# KiCad board HPM1500_DDR3_CORE_RevB.kicad_pcb (continued)
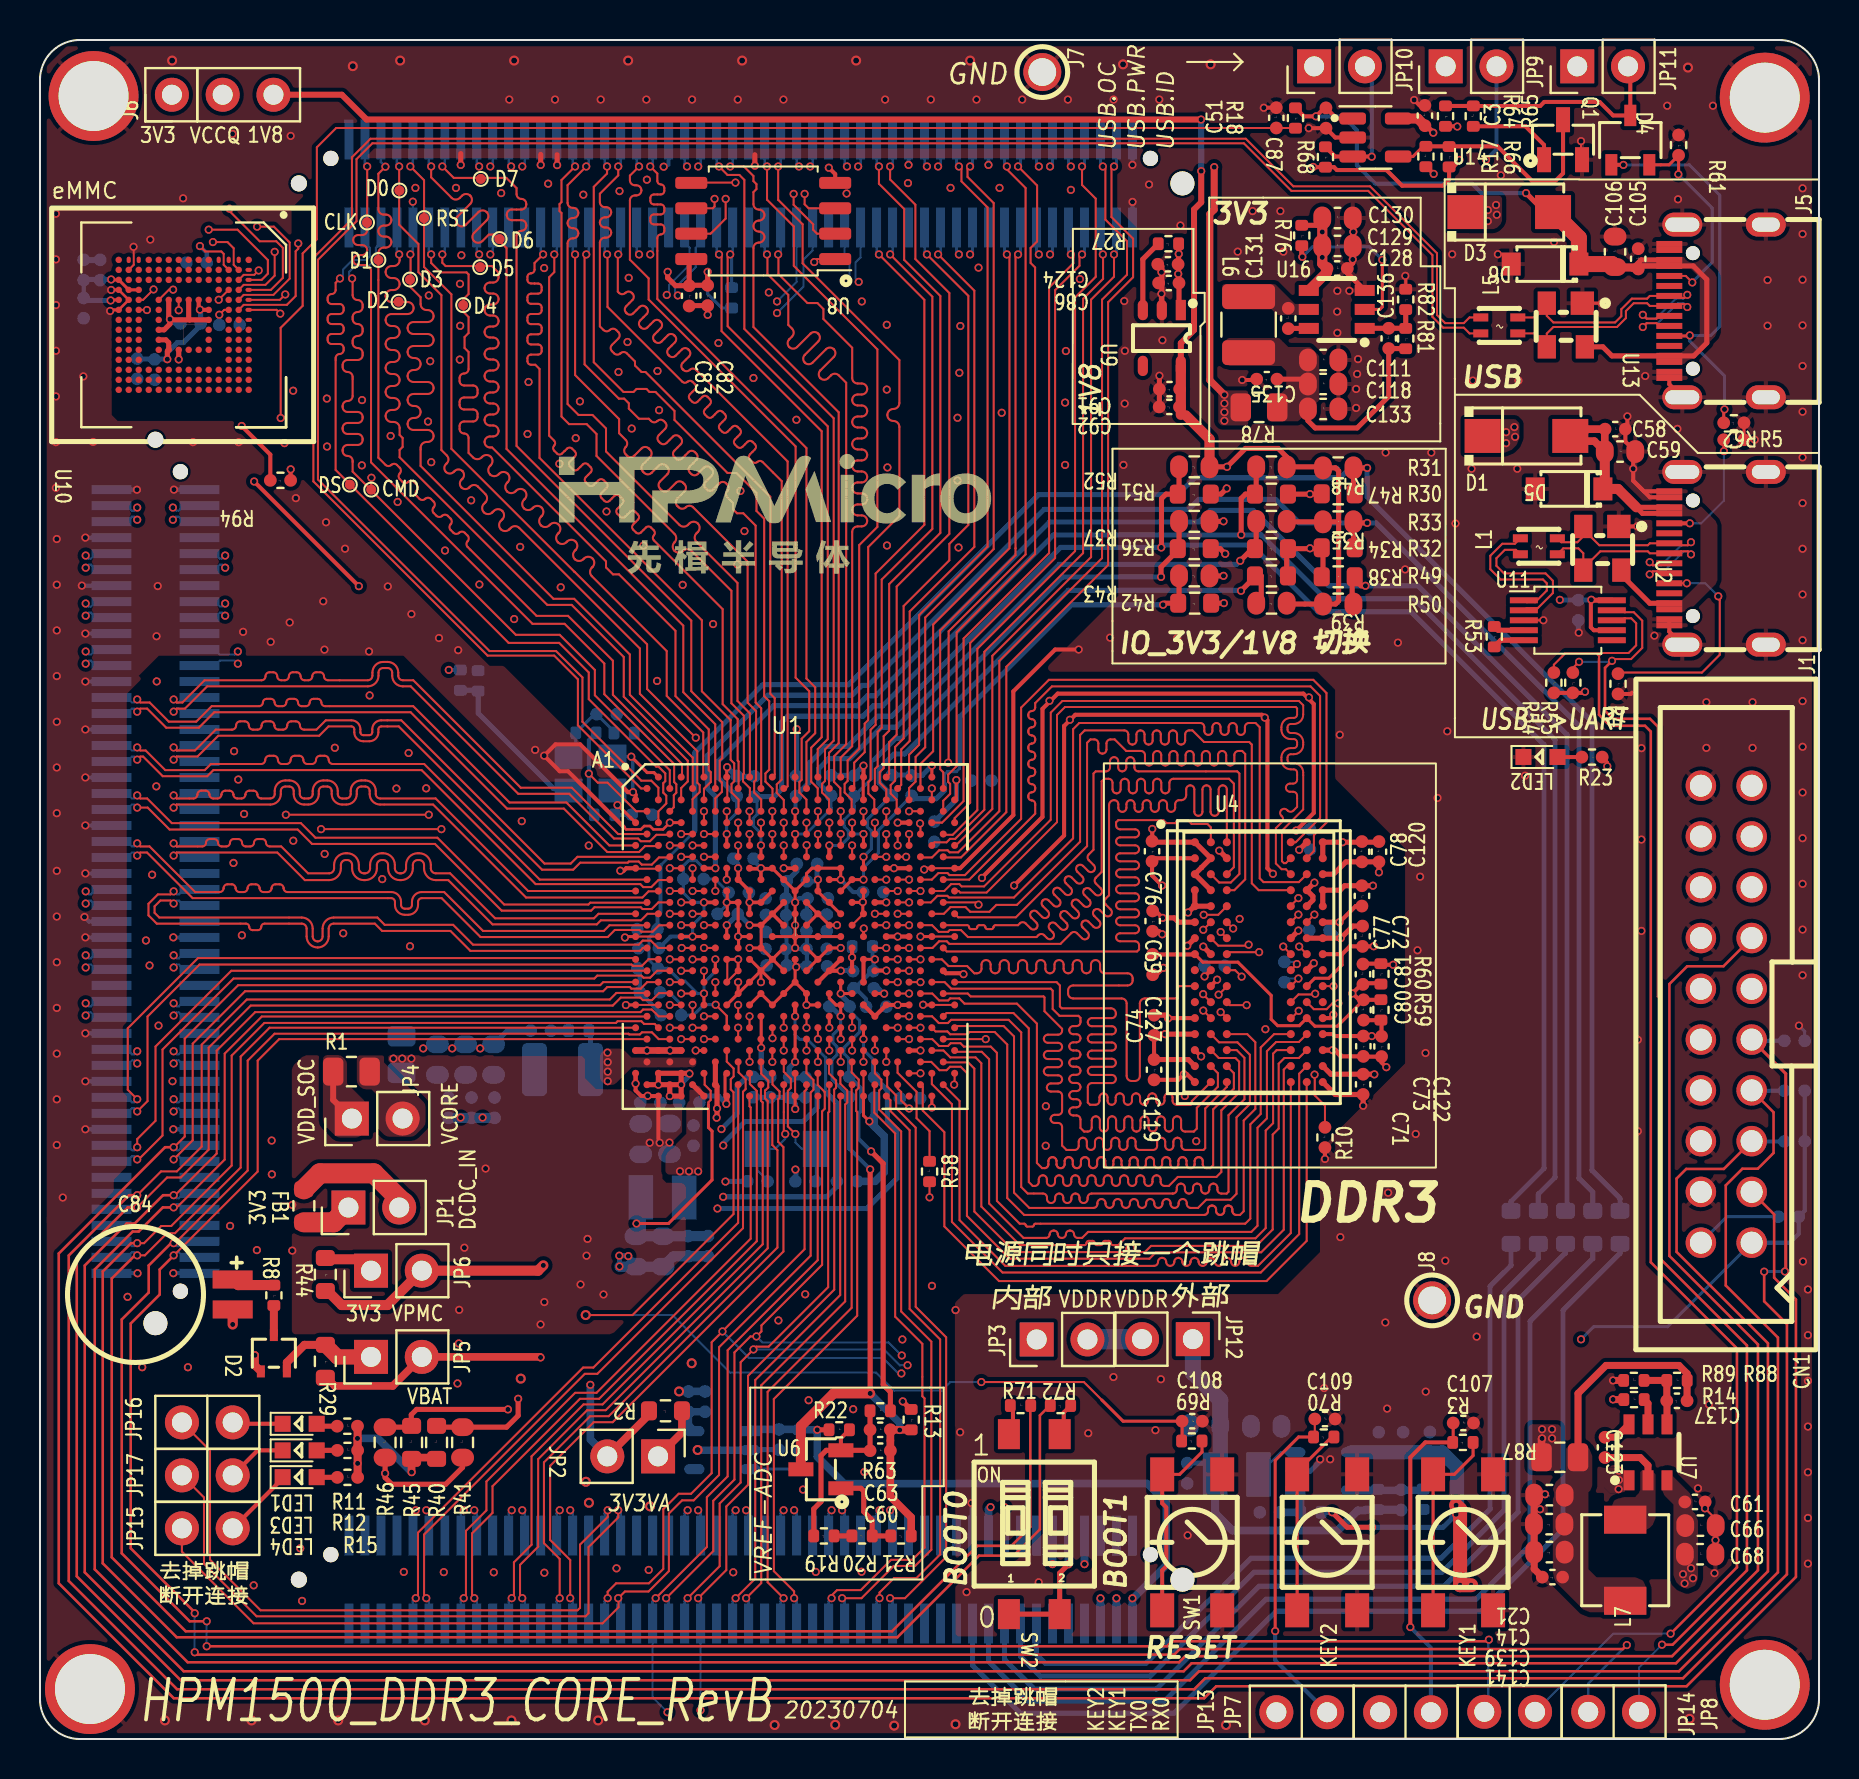
[diagram p0: board, top side]
## Routing (per net, layer and track width the routed paths; a pad name or vN(x,y) marks a point on that pad's centre or on a via; arc(x,y) is an arc through that point) (continued)
/Main/DDR3/CS0: length 32.7
  Top w0.102: v2(58.19,37.26) 58.19,37.25 U4.L2 ; v2(43.47,38.43) U1.V24
  In2.Cu w0.102: v2(43.47,38.43) 43.64,38.27 45.45,38.27 46,37.72 arc(46.14,37.67) 46.28,37.73 46.39,37.84 arc(46.54,37.89) 46.68,37.84 arc(46.74,37.69) 46.68,37.55 46.57,37.44 arc(46.51,37.29) 46.57,37.15 47.16,36.56 48.09,36.56 arc(48.23,36.5) 48.29,36.36 48.29,36.03 arc(48.35,35.89) 48.5,35.83 arc(48.64,35.89) 48.7,36.03 48.7,36.36 arc(48.76,36.5) 48.9,36.56 arc(49.05,36.5) 49.11,36.36 49.11,36.03 arc(49.17,35.89) 49.31,35.83 arc(49.45,35.89) 49.51,36.03 49.51,36.36 arc(49.57,36.5) 49.72,36.56 arc(49.86,36.5) 49.92,36.36 49.92,36.03 arc(49.98,35.89) 50.12,35.83 arc(50.27,35.89) 50.33,36.03 50.33,36.36 arc(50.38,36.5) 50.53,36.56 arc(50.67,36.5) 50.73,36.36 50.73,36.03 arc(50.79,35.89) 50.93,35.83 arc(51.08,35.89) 51.14,36.03 51.14,36.36 arc(51.2,36.5) 51.34,36.56 arc(51.48,36.5) 51.54,36.36 51.54,36.03 arc(51.6,35.89) 51.75,35.83 arc(51.89,35.89) 51.95,36.03 51.95,36.36 arc(52.01,36.5) 52.15,36.56 arc(52.3,36.5) 52.36,36.36 52.36,36.03 arc(52.42,35.89) 52.56,35.83 arc(52.7,35.89) 52.76,36.03 52.76,36.36 arc(52.82,36.5) 52.97,36.56 arc(53.11,36.5) 53.17,36.36 53.17,36.03 arc(53.23,35.89) 53.37,35.83 arc(53.52,35.89) 53.58,36.03 53.58,36.36 arc(53.64,36.5) 53.78,36.56 arc(53.92,36.5) 53.98,36.36 53.98,36.03 arc(54.04,35.89) 54.19,35.83 arc(54.33,35.89) 54.39,36.03 54.39,36.36 arc(54.45,36.5) 54.59,36.56 arc(54.74,36.5) 54.8,36.36 54.8,36.03 arc(54.86,35.89) 55,35.83 arc(55.14,35.89) 55.2,36.03 55.2,36.36 arc(55.26,36.5) 55.41,36.56 arc(55.55,36.5) 55.61,36.36 55.61,36.03 arc(55.67,35.89) 55.81,35.83 arc(55.96,35.89) 56.01,36.03 56.01,36.36 arc(56.07,36.5) 56.22,36.56 56.58,36.56 57.53,35.61 59.08,35.61 59.51,36.04 59.51,36.66 59.31,36.86 58.59,36.86 v2(58.19,37.26)
/Main/DDR3/DML: length 32.4
  Top w0.102: 62.57,41.69 U4.E7 62.57,41.69 ; 62.57,41.69 v2(62.95,42.07) ; v2(42.34,42.99) U1.K22
  In2.Cu w0.102: v2(62.95,42.07) 62.66,42.36 62.66,43.25 63.44,44.03 63.44,46.78 63.01,47.21 60.52,47.21 59.88,47.85 59.58,47.85 59.54,47.85 59.47,47.82 59.41,47.76 59.38,47.69 59.38,47.65 59.38,47.54 59.38,47.5 59.34,47.43 59.29,47.37 59.21,47.34 59.17,47.34 59.13,47.34 59.06,47.37 59,47.43 58.97,47.5 58.97,47.54 58.97,47.65 58.97,47.69 58.94,47.76 58.88,47.82 58.81,47.85 58.77,47.85 58.73,47.85 58.65,47.82 58.6,47.76 58.57,47.69 58.56,47.65 58.56,47.54 58.56,47.5 58.53,47.43 58.48,47.37 58.4,47.34 58.36,47.34 58.32,47.34 58.25,47.37 58.19,47.43 58.16,47.5 58.16,47.54 58.16,47.65 58.16,47.69 58.13,47.76 58.07,47.82 57.99,47.85 57.95,47.85 48.99,47.85 44.67,43.53 44.67,43.29 44.22,42.84 43.88,42.84 43.11,42.07 42.76,42.07 42.34,42.49 v2(42.34,42.99)
/Main/DDR3/DMU: length 36.7
  Top w0.102: U4.D3 59.74,42.46 60.29,43.01 60.29,49.28 60.14,49.43 59.95,49.43 arc(59.81,49.37) 59.75,49.23 59.75,48.91 arc(59.69,48.76) 59.54,48.7 arc(59.4,48.76) 59.34,48.91 59.34,49.23 arc(59.28,49.37) 59.14,49.43 arc(58.99,49.37) 58.93,49.23 58.93,48.91 arc(58.87,48.76) 58.73,48.7 arc(58.59,48.76) 58.53,48.91 58.53,49.23 arc(58.47,49.37) 58.32,49.43 arc(58.18,49.37) 58.12,49.23 58.12,48.91 arc(58.06,48.76) 57.92,48.7 arc(57.77,48.76) 57.71,48.91 57.71,49.23 arc(57.66,49.37) 57.51,49.43 arc(57.37,49.37) 57.31,49.23 57.31,48.91 arc(57.25,48.76) 57.11,48.7 arc(56.96,48.76) 56.9,48.91 56.9,49.23 arc(56.84,49.37) 56.7,49.43 arc(56.56,49.37) 56.5,49.23 56.5,48.91 arc(56.44,48.76) 56.29,48.7 arc(56.15,48.76) 56.09,48.91 56.09,49.23 arc(56.03,49.37) 55.89,49.43 arc(55.74,49.37) 55.68,49.23 55.68,48.91 arc(55.62,48.76) 55.48,48.7 arc(55.34,48.76) 55.28,48.91 55.28,49.23 arc(55.22,49.37) 55.07,49.43 54.34,49.43 53.76,50.01 53.55,50.01 arc(53.41,49.95) 53.35,49.81 53.35,49.5 arc(53.29,49.36) 53.15,49.3 arc(53,49.36) 52.94,49.5 52.94,49.81 arc(52.88,49.95) 52.74,50.01 52.55,50.01 52.38,49.84 52.38,44.67 48.82,41.11 45.93,41.11 U1.N29
/Main/DDR3/DQL0: length 32.4
  Top w0.102: v2(58.21,41.23) 58.94,41.23 U4.E3 ; U1.T24 v2(43.47,39.57)
  In2.Cu w0.102: v2(58.21,41.23) 58.21,42.03 57.96,42.28 57.31,42.28 arc(57.16,42.22) 57.1,42.08 57.1,41.77 arc(57.04,41.62) 56.9,41.56 arc(56.76,41.62) 56.7,41.77 56.7,42.08 arc(56.64,42.22) 56.49,42.28 arc(56.35,42.22) 56.29,42.08 56.29,41.77 arc(56.23,41.62) 56.09,41.56 arc(55.94,41.62) 55.88,41.77 55.88,42.08 arc(55.82,42.22) 55.68,42.28 55.55,42.28 arc(55.41,42.22) 55.35,42.08 55.35,41.62 arc(55.29,41.48) 55.15,41.42 arc(55,41.48) 54.94,41.62 54.94,42.08 arc(54.88,42.22) 54.74,42.28 arc(54.6,42.22) 54.54,42.08 54.54,41.62 arc(54.48,41.48) 54.33,41.42 arc(54.19,41.48) 54.13,41.62 54.13,42.08 arc(54.07,42.22) 53.93,42.28 arc(53.78,42.22) 53.72,42.08 53.72,41.62 arc(53.66,41.48) 53.52,41.42 arc(53.38,41.48) 53.32,41.62 53.32,42.08 arc(53.26,42.22) 53.11,42.28 arc(52.97,42.22) 52.91,42.08 52.91,41.62 arc(52.85,41.48) 52.71,41.42 arc(52.56,41.48) 52.5,41.62 52.5,42.08 arc(52.44,42.22) 52.3,42.28 arc(52.16,42.22) 52.1,42.08 52.1,41.62 arc(52.04,41.48) 51.89,41.42 arc(51.75,41.48) 51.69,41.62 51.69,42.08 arc(51.63,42.22) 51.49,42.28 arc(51.34,42.22) 51.29,42.08 51.29,41.62 arc(51.23,41.48) 51.08,41.42 arc(50.94,41.48) 50.88,41.62 50.88,42.08 arc(50.82,42.22) 50.68,42.28 arc(50.53,42.22) 50.47,42.08 50.47,41.62 arc(50.41,41.48) 50.27,41.42 arc(50.13,41.48) 50.07,41.62 50.07,42.08 arc(50.01,42.22) 49.86,42.28 arc(49.72,42.22) 49.66,42.08 49.66,41.62 arc(49.6,41.48) 49.46,41.42 arc(49.31,41.48) 49.25,41.62 49.25,42.08 arc(49.19,42.22) 49.05,42.28 48.89,42.28 48.71,42.1 48.71,41.16 47.27,39.72 43.62,39.72 v2(43.47,39.57)
/Main/DDR3/DQL1: length 32.4
  Top w0.102: U4.F7 v2(62.95,41.25) ; U1.K24 v2(43.47,42.99)
  In2.Cu w0.102: v2(62.95,41.25) 63.33,41.62 63.33,43.19 63.8,43.66 63.8,47.35 62.87,48.28 62.57,48.28 62.53,48.28 62.46,48.25 62.4,48.19 62.37,48.12 62.37,48.08 62.37,48.02 62.37,47.98 62.33,47.91 62.28,47.85 62.2,47.82 62.16,47.82 62.12,47.82 62.05,47.85 61.99,47.91 61.96,47.98 61.96,48.02 61.96,48.08 61.96,48.12 61.93,48.19 61.87,48.25 61.8,48.28 61.76,48.28 61.72,48.28 61.64,48.25 61.59,48.19 61.56,48.12 61.55,48.08 61.55,48.02 61.55,47.98 61.52,47.91 61.47,47.85 61.39,47.82 61.35,47.82 61.31,47.82 61.24,47.85 61.18,47.91 61.15,47.98 61.15,48.02 61.15,48.08 61.15,48.12 61.12,48.19 61.06,48.25 60.98,48.28 60.94,48.28 60.9,48.28 60.83,48.25 60.77,48.19 60.74,48.12 60.74,48.08 60.74,48.02 60.74,47.98 60.71,47.91 60.65,47.85 60.58,47.82 60.54,47.82 60.5,47.82 60.42,47.85 60.37,47.91 60.34,47.98 60.33,48.02 60.33,48.08 60.33,48.12 60.3,48.19 60.25,48.25 60.17,48.28 60.13,48.28 48.84,48.28 44.52,43.96 44.13,43.96 43.47,43.3 v2(43.47,42.99)
/Main/DDR3/DQL2: length 32.4
  Top w0.102: U1.T22 v2(42.34,39.57) ; U4.F2 v2(58.19,40.48)
  In2.Cu w0.102: v2(58.19,40.48) 58.18,40.48 57.8,40.86 57.54,40.86 arc(57.4,40.8) 57.34,40.66 57.34,40.35 arc(57.28,40.21) 57.14,40.15 arc(56.99,40.21) 56.93,40.35 56.93,40.66 arc(56.87,40.8) 56.73,40.86 56.58,40.86 56.34,40.62 55.75,40.62 55.66,40.53 55.51,40.53 arc(55.37,40.47) 55.31,40.33 55.31,40.19 arc(55.25,40.05) 55.11,39.99 arc(54.96,40.05) 54.9,40.19 54.9,40.87 arc(54.84,41.01) 54.7,41.07 arc(54.56,41.01) 54.5,40.87 54.5,40.19 arc(54.44,40.05) 54.29,39.99 arc(54.15,40.05) 54.09,40.19 54.09,40.87 arc(54.03,41.01) 53.89,41.07 arc(53.74,41.01) 53.68,40.87 53.68,40.19 arc(53.62,40.05) 53.48,39.99 arc(53.34,40.05) 53.28,40.19 53.28,40.87 arc(53.22,41.01) 53.07,41.07 arc(52.93,41.01) 52.87,40.87 52.87,40.19 arc(52.81,40.05) 52.67,39.99 arc(52.52,40.05) 52.46,40.19 52.46,40.87 arc(52.41,41.01) 52.26,41.07 arc(52.12,41.01) 52.06,40.87 52.06,40.19 arc(52,40.05) 51.86,39.99 arc(51.71,40.05) 51.65,40.19 51.65,40.87 arc(51.59,41.01) 51.45,41.07 arc(51.31,41.01) 51.25,40.87 51.25,40.19 arc(51.19,40.05) 51.04,39.99 arc(50.9,40.05) 50.84,40.19 50.84,40.87 arc(50.78,41.01) 50.64,41.07 arc(50.49,41.01) 50.43,40.87 50.43,40.19 arc(50.37,40.05) 50.23,39.99 arc(50.09,40.05) 50.03,40.19 50.03,40.87 arc(49.97,41.01) 49.82,41.07 arc(49.68,41.01) 49.62,40.87 49.62,40.19 arc(49.56,40.05) 49.42,39.99 arc(49.27,40.05) 49.21,40.19 49.21,40.33 arc(49.15,40.47) 49.01,40.53 48.6,40.53 47.43,39.36 43.84,39.36 43.7,39.22 43.2,39.22 42.84,39.57 v2(42.34,39.57)
/Main/DDR3/DQL3: length 32.4
  Top w0.102: U4.F8 v2(63.75,41.25) ; v2(42.91,42.42) U1.L23
  In2.Cu w0.102: v2(63.75,41.25) 64.17,41.66 64.17,47.67 63.15,48.69 48.66,48.69 44.34,44.37 44.16,44.37 42.91,43.12 v2(42.91,42.42)
/Main/DDR3/DQL4: length 32.4
  Top w0.102: U4.G2 58.95,39.69 60.41,39.69 v2(60.46,39.74) ; U1.N25 v2(42.91,41.28)
  In2.Cu w0.102: v2(60.46,39.74) 60.58,39.86 60.58,43.44 arc(60.52,43.59) 60.38,43.65 60.17,43.65 arc(60.03,43.71) 59.97,43.85 arc(60.03,43.99) 60.17,44.05 60.38,44.05 arc(60.52,44.11) 60.58,44.26 arc(60.52,44.4) 60.38,44.46 60.17,44.46 arc(60.03,44.52) 59.97,44.66 arc(60.03,44.81) 60.17,44.87 60.38,44.87 arc(60.52,44.93) 60.58,45.07 60.58,45.22 arc(60.51,45.4) 60.33,45.47 56.4,45.47 55.81,46.06 55.45,46.06 54.84,45.45 48.88,45.45 46.45,43.02 arc(46.39,42.88) 46.45,42.73 46.45,42.73 46.7,42.48 arc(46.76,42.34) 46.7,42.19 arc(46.56,42.13) 46.41,42.19 46.16,42.45 arc(46.02,42.5) 45.88,42.45 arc(45.82,42.3) 45.88,42.16 46.13,41.91 arc(46.19,41.76) 46.13,41.62 arc(45.98,41.56) 45.84,41.62 45.59,41.87 arc(45.44,41.93) 45.3,41.87 44.63,41.2 42.99,41.2 v2(42.91,41.28)
/Main/DDR3/DQL5: length 32.4
  Top w0.102: U4.H8 v2(62.99,39.65) ; v2(44.05,42.42) U1.L25
  In2.Cu w0.102: v2(62.99,39.65) 62.99,39.67 62.47,40.19 61.93,40.19 arc(61.75,40.26) 61.68,40.44 61.68,41.46 arc(61.74,41.6) 61.88,41.66 61.94,41.66 arc(62.09,41.72) 62.15,41.86 arc(62.09,42.01) 61.94,42.07 61.88,42.07 arc(61.74,42.13) 61.68,42.27 61.68,42.56 62.06,42.94 62.06,43.54 61.7,43.9 61.7,44.11 arc(61.76,44.25) 61.9,44.31 62.06,44.31 arc(62.2,44.37) 62.26,44.51 arc(62.2,44.66) 62.06,44.72 61.9,44.72 arc(61.76,44.78) 61.7,44.92 arc(61.76,45.06) 61.9,45.12 62.06,45.12 arc(62.2,45.18) 62.26,45.33 arc(62.2,45.47) 62.06,45.53 61.9,45.53 arc(61.76,45.59) 61.7,45.73 arc(61.76,45.88) 61.9,45.94 62.06,45.94 arc(62.2,46) 62.26,46.14 arc(62.2,46.28) 62.06,46.34 61.9,46.34 arc(61.76,46.4) 61.7,46.55 arc(61.63,46.73) 61.45,46.8 56.75,46.8 56.14,47.41 49.09,47.41 45.01,43.33 45.01,43.09 44.34,42.42 v2(44.05,42.42)
/Main/DDR3/DQL6: length 32.4
  Top w0.102: U4.H3 59.47,39.36 v2(60.99,39.36) ; U1.N23 v2(41.77,41.28)
  In2.Cu w0.102: v2(41.77,41.28) 42.34,41.28 42.7,41.64 43.15,41.64 43.32,41.47 44.38,41.47 48.7,45.79 49.87,45.79 arc(50,45.84) 50.05,45.97 arc(50.1,46.1) 50.23,46.16 50.27,46.16 arc(50.4,46.1) 50.46,45.97 arc(50.51,45.84) 50.64,45.79 50.68,45.79 arc(50.81,45.84) 50.86,45.97 arc(50.92,46.1) 51.05,46.16 51.09,46.16 arc(51.21,46.1) 51.27,45.97 arc(51.32,45.84) 51.45,45.79 51.49,45.79 arc(51.62,45.84) 51.67,45.97 arc(51.73,46.1) 51.86,46.16 51.9,46.16 arc(52.03,46.1) 52.08,45.97 arc(52.13,45.84) 52.26,45.79 52.3,45.79 arc(52.43,45.84) 52.49,45.97 arc(52.54,46.1) 52.67,46.16 52.71,46.16 arc(52.84,46.1) 52.89,45.97 arc(52.95,45.84) 53.08,45.79 53.12,45.79 arc(53.25,45.84) 53.3,45.97 arc(53.35,46.1) 53.48,46.16 53.52,46.16 arc(53.65,46.1) 53.71,45.97 arc(53.76,45.84) 53.89,45.79 54.65,45.79 55.28,46.42 56,46.42 56.56,45.86 60.75,45.86 60.99,45.62 v2(60.99,39.36)
/Main/DDR3/DQL7: length 32.4
  Top w0.102: U4.H7 v2(62.19,39.65) ; U1.M24 v2(43.47,41.85)
  In2.Cu w0.102: v2(43.47,41.85) 44.31,41.85 45.36,42.91 45.36,43.12 49.27,47.03 49.46,47.03 arc(49.6,46.97) 49.66,46.83 49.66,46.7 arc(49.72,46.56) 49.87,46.5 arc(50.01,46.56) 50.07,46.7 50.07,46.83 arc(50.13,46.97) 50.27,47.03 arc(50.42,46.97) 50.48,46.83 50.48,46.7 arc(50.54,46.56) 50.68,46.5 arc(50.82,46.56) 50.88,46.7 50.88,46.83 arc(50.94,46.97) 51.09,47.03 arc(51.23,46.97) 51.29,46.83 51.29,46.7 arc(51.35,46.56) 51.49,46.5 arc(51.64,46.56) 51.7,46.7 51.7,46.83 arc(51.75,46.97) 51.9,47.03 arc(52.04,46.97) 52.1,46.83 52.1,46.7 arc(52.16,46.56) 52.3,46.5 arc(52.45,46.56) 52.51,46.7 52.51,46.83 arc(52.57,46.97) 52.71,47.03 arc(52.85,46.97) 52.91,46.83 52.91,46.7 arc(52.97,46.56) 53.12,46.5 arc(53.26,46.56) 53.32,46.7 53.32,46.83 arc(53.38,46.97) 53.52,47.03 56.01,47.03 56.72,46.32 61.14,46.32 61.31,46.15 61.31,39.85 61.51,39.65 v2(62.19,39.65)
/Main/DDR3/DQSL_N: length 32.4
  Top w0.102: U4.G3 v2(59.06,40.37) ; U1.P22 v2(42.34,40.71)
  In2.Cu w0.097: v2(42.34,40.71) 42.92,40.71 43.29,40.34 43.68,40.34 43.96,40.62 47.02,40.62 47.91,41.51 47.91,42.69 48.32,43.11 48.53,43.11 arc(48.92,43.27) 49.09,43.66 49.09,44.05 arc(49.16,44.23) 49.34,44.3 arc(49.51,44.23) 49.59,44.05 49.59,43.66 arc(49.75,43.27) 50.14,43.11 arc(50.54,43.27) 50.7,43.66 50.7,44.05 arc(50.77,44.23) 50.95,44.3 arc(51.13,44.23) 51.2,44.05 51.2,43.66 arc(51.36,43.27) 51.76,43.11 arc(52.15,43.27) 52.31,43.66 52.31,44.05 arc(52.38,44.23) 52.56,44.3 arc(52.74,44.23) 52.81,44.05 52.81,43.66 arc(52.98,43.27) 53.37,43.11 arc(53.76,43.27) 53.92,43.66 53.92,44.05 arc(54,44.23) 54.17,44.3 arc(54.35,44.23) 54.43,44.05 54.43,43.66 arc(54.59,43.27) 54.98,43.11 arc(55.37,43.27) 55.54,43.66 55.54,44.05 arc(55.61,44.23) 55.79,44.3 arc(55.96,44.23) 56.04,44.05 56.04,43.66 arc(56.2,43.27) 56.59,43.11 arc(56.99,43.27) 57.15,43.66 57.15,44.05 arc(57.22,44.23) 57.4,44.3 arc(57.58,44.23) 57.65,44.05 57.65,43.66 arc(57.81,43.27) 58.21,43.11 58.6,43.11 58.99,42.72 58.99,40.79 59.06,40.72 v2(59.06,40.37)
/Main/DDR3/DQSL_P: length 32.4
  Top w0.102: U4.F3 v2(59.69,40.55) ; v2(43.47,40.71) U1.P24
  In2.Cu w0.097: v2(59.69,40.55) 59.29,40.94 59.29,41.08 arc(59.35,41.2) 59.47,41.26 arc(59.6,41.31) 59.66,41.44 59.66,41.48 arc(59.6,41.61) 59.47,41.66 arc(59.35,41.72) 59.29,41.85 59.29,41.89 arc(59.35,42.02) 59.47,42.07 arc(59.6,42.12) 59.66,42.25 59.66,42.3 arc(59.6,42.42) 59.47,42.48 arc(59.35,42.53) 59.29,42.66 59.29,42.84 58.72,43.41 58.21,43.41 arc(58.03,43.49) 57.96,43.66 57.96,44.05 arc(57.79,44.45) 57.4,44.61 arc(57.01,44.45) 56.84,44.05 56.84,43.66 arc(56.77,43.49) 56.59,43.41 arc(56.42,43.49) 56.34,43.66 56.34,44.05 arc(56.18,44.45) 55.79,44.61 arc(55.39,44.45) 55.23,44.05 55.23,43.66 arc(55.16,43.49) 54.98,43.41 arc(54.8,43.49) 54.73,43.66 54.73,44.05 arc(54.57,44.45) 54.17,44.61 arc(53.78,44.45) 53.62,44.05 53.62,43.66 arc(53.55,43.49) 53.37,43.41 arc(53.19,43.49) 53.12,43.66 53.12,44.05 arc(52.95,44.45) 52.56,44.61 arc(52.17,44.45) 52.01,44.05 52.01,43.66 arc(51.93,43.49) 51.76,43.41 arc(51.58,43.49) 51.5,43.66 51.5,44.05 arc(51.34,44.45) 50.95,44.61 arc(50.56,44.45) 50.39,44.05 50.39,43.66 arc(50.32,43.49) 50.14,43.41 arc(49.97,43.49) 49.89,43.66 49.89,44.05 arc(49.73,44.45) 49.34,44.61 arc(48.94,44.45) 48.78,44.05 48.78,43.66 arc(48.71,43.49) 48.53,43.41 48.2,43.41 47.6,42.82 47.6,41.63 46.89,40.92 43.68,40.92 v2(43.47,40.71)
/Main/DDR3/DQSU_N: length 36.7
  Top w0.097: U1.L27 45.24,42.42 45.58,42.77 45.99,42.77 46.11,42.65 47.23,42.65 50.56,45.99 50.56,51.35 51.15,51.93 62.98,51.93 63.19,51.72 63.19,51.25 arc(63.05,50.92) 62.72,50.78 62.57,50.78 arc(62.45,50.73) 62.41,50.62 62.41,50.49 arc(62.45,50.38) 62.57,50.33 62.72,50.33 arc(63.05,50.19) 63.19,49.86 63.19,49.74 arc(63.05,49.41) 62.72,49.27 62.57,49.27 arc(62.45,49.22) 62.41,49.1 62.41,48.98 arc(62.45,48.86) 62.57,48.82 62.72,48.82 arc(63.05,48.68) 63.19,48.35 63.19,46.51 62.13,45.44 62.13,43.92 62.23,43.82 62.32,43.82 U4.B7
/Main/DDR3/DQSU_P: length 36.7
  Top w0.097: U1.L29 45.96,42.42 46.03,42.35 47.35,42.35 50.88,45.87 50.88,51.23 51.27,51.63 62.82,51.63 62.89,51.56 62.89,51.25 arc(62.84,51.13) 62.72,51.09 62.57,51.09 arc(62.24,50.95) 62.1,50.62 62.1,50.49 arc(62.24,50.16) 62.57,50.02 62.72,50.02 arc(62.84,49.98) 62.89,49.86 62.89,49.74 arc(62.84,49.62) 62.72,49.57 62.57,49.57 arc(62.24,49.44) 62.1,49.1 62.1,48.98 arc(62.24,48.65) 62.57,48.51 62.72,48.51 arc(62.84,48.46) 62.89,48.35 62.89,48 arc(62.83,47.86) 62.68,47.8 62.53,47.8 arc(62.39,47.74) 62.33,47.59 arc(62.39,47.45) 62.53,47.39 62.68,47.39 arc(62.83,47.33) 62.89,47.19 62.89,46.63 62.7,46.45 arc(62.56,46.39) 62.41,46.45 62.38,46.48 arc(62.24,46.54) 62.1,46.48 arc(62.04,46.33) 62.1,46.19 62.13,46.16 arc(62.19,46.02) 62.13,45.87 61.82,45.57 61.82,43.8 62.11,43.51 62.32,43.51 U4.C7
/Main/DDR3/DQU0: length 36.7
  Top w0.102: U1.N27 45.22,41.28 45.55,41.62 46.3,41.62 46.54,41.38 47.49,41.38 47.84,41.73 48.87,41.73 52.03,44.89 52.03,50.23 52.26,50.46 54.24,50.46 arc(54.38,50.4) 54.44,50.26 54.44,49.95 arc(54.5,49.81) 54.65,49.75 arc(54.79,49.81) 54.85,49.95 54.85,50.26 arc(54.91,50.4) 55.05,50.46 arc(55.2,50.4) 55.25,50.26 55.25,49.95 arc(55.31,49.81) 55.46,49.75 arc(55.6,49.81) 55.66,49.95 55.66,50.26 arc(55.72,50.4) 55.86,50.46 arc(56.01,50.4) 56.07,50.26 56.07,49.95 arc(56.13,49.81) 56.27,49.75 arc(56.41,49.81) 56.47,49.95 56.47,50.26 arc(56.53,50.4) 56.68,50.46 arc(56.82,50.4) 56.88,50.26 56.88,49.95 arc(56.94,49.81) 57.08,49.75 arc(57.23,49.81) 57.29,49.95 57.29,50.26 arc(57.35,50.4) 57.49,50.46 57.65,50.46 58.23,49.88 60.49,49.88 60.62,49.75 60.62,42.81 60.97,42.46 U4.D7
/Main/DDR3/DQU1: length 36.7
  Top w0.102: U1.P26 44.62,40.71 44.96,40.38 45.42,40.38 45.51,40.47 46.07,40.47 46.42,40.12 49.85,40.12 49.94,40.21 arc(50.09,40.27) 50.23,40.21 50.38,40.07 arc(50.52,40.01) 50.67,40.07 arc(50.72,40.21) 50.67,40.36 50.52,40.5 arc(50.46,40.65) 50.52,40.79 arc(50.66,40.85) 50.81,40.79 51.06,40.54 arc(51.2,40.48) 51.35,40.54 arc(51.41,40.68) 51.35,40.83 51.09,41.08 arc(51.03,41.22) 51.09,41.36 arc(51.24,41.42) 51.38,41.36 51.63,41.11 arc(51.78,41.05) 51.92,41.11 arc(51.98,41.26) 51.92,41.4 51.67,41.65 arc(51.61,41.8) 51.67,41.94 arc(51.81,42) 51.96,41.94 52.21,41.69 arc(52.35,41.63) 52.5,41.69 arc(52.55,41.83) 52.5,41.98 52.24,42.23 arc(52.18,42.37) 52.24,42.51 arc(52.39,42.57) 52.53,42.51 52.78,42.26 arc(52.93,42.2) 53.07,42.26 arc(53.13,42.41) 53.07,42.55 52.82,42.8 arc(52.76,42.95) 52.82,43.09 53.11,43.38 53.11,47.91 53.24,48.04 53.45,48.04 arc(53.59,47.98) 53.65,47.84 53.65,47.51 arc(53.71,47.37) 53.86,47.31 arc(54,47.37) 54.06,47.51 54.06,47.84 arc(54.12,47.98) 54.26,48.04 arc(54.41,47.98) 54.47,47.84 54.47,47.51 arc(54.53,47.37) 54.67,47.31 arc(54.81,47.37) 54.87,47.51 54.87,47.84 arc(54.93,47.98) 55.08,48.04 arc(55.22,47.98) 55.28,47.84 55.28,47.51 arc(55.34,47.37) 55.48,47.31 arc(55.63,47.37) 55.69,47.51 55.69,47.84 arc(55.74,47.98) 55.89,48.04 arc(56.03,47.98) 56.09,47.84 56.09,47.51 arc(56.15,47.37) 56.29,47.31 arc(56.44,47.37) 56.5,47.51 56.5,47.84 arc(56.56,47.98) 56.7,48.04 59.48,48.04 59.72,47.8 59.72,43.62 U4.C3
/Main/DDR3/DQU2: length 36.7
  Top w0.102: U4.C8 62.98,42.87 61.21,42.87 61.02,43.06 61.02,50.62 60.81,50.83 60.48,50.83 arc(60.33,50.77) 60.28,50.63 60.28,50.44 arc(60.22,50.29) 60.07,50.23 arc(59.93,50.29) 59.87,50.44 59.87,50.63 arc(59.81,50.77) 59.67,50.83 arc(59.52,50.77) 59.46,50.63 59.46,50.44 arc(59.4,50.29) 59.26,50.23 arc(59.12,50.29) 59.06,50.44 59.06,50.63 arc(59,50.77) 58.85,50.83 arc(58.71,50.77) 58.65,50.63 58.65,50.44 arc(58.59,50.29) 58.45,50.23 arc(58.3,50.29) 58.24,50.44 58.24,50.63 arc(58.18,50.77) 58.04,50.83 51.99,50.83 51.68,50.52 51.68,45.06 48.72,42.1 45.47,42.1 45.39,42.18 44.89,42.18 44.56,41.85 U1.M26
/Main/DDR3/DQU3: length 36.7
  Top w0.102: U4.C2 58.99,42.85 59.57,42.85 60,43.28 60,48.3 59.89,48.41 54.95,48.41 arc(54.81,48.47) 54.75,48.61 54.75,48.92 arc(54.69,49.06) 54.54,49.12 arc(54.4,49.06) 54.34,48.92 54.34,48.61 arc(54.28,48.47) 54.14,48.41 arc(53.99,48.47) 53.93,48.61 53.93,48.92 arc(53.87,49.06) 53.73,49.12 arc(53.59,49.06) 53.53,48.92 53.53,48.61 arc(53.47,48.47) 53.32,48.41 52.81,48.41 52.7,48.3 52.7,44.49 52.47,44.25 arc(52.41,44.11) 52.47,43.97 52.72,43.72 arc(52.78,43.57) 52.72,43.43 arc(52.57,43.37) 52.43,43.43 52.18,43.68 arc(52.03,43.74) 51.89,43.68 arc(51.83,43.54) 51.89,43.39 52.14,43.14 arc(52.2,43) 52.14,42.85 arc(52,42.79) 51.85,42.85 51.6,43.11 arc(51.46,43.17) 51.32,43.11 arc(51.26,42.96) 51.32,42.82 51.57,42.57 arc(51.63,42.42) 51.57,42.28 arc(51.42,42.22) 51.28,42.28 51.03,42.53 arc(50.88,42.59) 50.74,42.53 arc(50.68,42.39) 50.74,42.24 50.99,41.99 arc(51.05,41.85) 50.99,41.7 arc(50.85,41.65) 50.7,41.7 50.45,41.96 arc(50.31,42.02) 50.17,41.96 arc(50.11,41.81) 50.17,41.67 50.42,41.42 arc(50.48,41.27) 50.42,41.13 arc(50.27,41.07) 50.13,41.13 49.88,41.38 arc(49.73,41.44) 49.59,41.38 arc(49.53,41.24) 49.59,41.09 49.84,40.84 arc(49.9,40.7) 49.84,40.56 arc(49.7,40.5) 49.56,40.56 49.3,40.81 arc(49.16,40.87) 49.02,40.81 48.93,40.71 47.8,40.71 arc(47.73,40.69) 47.7,40.62 arc(47.67,40.55) 47.6,40.52 47.39,40.52 arc(47.32,40.55) 47.29,40.62 arc(47.26,40.69) 47.19,40.71 46.98,40.71 arc(46.91,40.69) 46.88,40.62 arc(46.86,40.55) 46.79,40.52 46.58,40.52 arc(46.51,40.55) 46.48,40.62 arc(46.45,40.69) 46.38,40.71 U1.P28
/Main/DDR3/DQU4: length 36.7
  Top w0.102: U4.A7 62.82,44.86 64.04,46.08 64.04,52.18 63.56,52.66 50.62,52.66 49.79,51.83 49.79,51.6 arc(49.74,51.48) 49.61,51.43 arc(49.49,51.38) 49.44,51.25 49.44,51.19 arc(49.49,51.07) 49.61,51.02 arc(49.74,50.97) 49.79,50.85 49.79,50.79 arc(49.74,50.67) 49.61,50.61 arc(49.49,50.56) 49.44,50.44 49.44,50.38 arc(49.49,50.26) 49.61,50.21 arc(49.74,50.16) 49.79,50.04 49.79,49.97 arc(49.74,49.85) 49.61,49.8 arc(49.49,49.75) 49.44,49.63 49.44,49.57 arc(49.49,49.45) 49.61,49.4 arc(49.74,49.34) 49.79,49.22 49.79,49.16 arc(49.74,49.04) 49.61,48.99 arc(49.49,48.94) 49.44,48.82 49.44,48.76 arc(49.49,48.63) 49.61,48.58 arc(49.74,48.53) 49.79,48.41 49.79,48.35 arc(49.74,48.23) 49.61,48.18 arc(49.49,48.13) 49.44,48 49.44,47.94 arc(49.49,47.82) 49.61,47.77 arc(49.74,47.72) 49.79,47.6 49.79,47.54 arc(49.74,47.41) 49.61,47.36 arc(49.49,47.31) 49.44,47.19 49.44,47.13 arc(49.49,47.01) 49.61,46.96 arc(49.74,46.91) 49.79,46.78 49.79,46.3 46.49,42.99 U1.K28
/Main/DDR3/DQU5: length 36.7
  Top w0.102: U4.A2 58.57,45.61 58.4,45.78 57.61,45.78 57.42,45.97 56.94,45.97 56.79,45.82 56.35,45.82 56.2,45.97 53.94,45.97 53.83,45.86 53.83,45.71 arc(53.89,45.57) 54.03,45.51 54.78,45.51 arc(54.92,45.45) 54.98,45.31 arc(54.92,45.17) 54.78,45.11 54.03,45.11 arc(53.89,45.05) 53.83,44.91 arc(53.89,44.77) 54.03,44.71 54.78,44.71 arc(54.92,44.65) 54.98,44.51 arc(54.92,44.37) 54.78,44.31 54.03,44.31 arc(53.89,44.25) 53.83,44.11 arc(53.89,43.97) 54.03,43.91 54.78,43.91 arc(54.92,43.85) 54.98,43.71 arc(54.92,43.57) 54.78,43.51 54.03,43.51 arc(53.89,43.45) 53.83,43.31 arc(53.89,43.17) 54.03,43.11 54.78,43.11 arc(54.92,43.05) 54.98,42.91 arc(54.92,42.77) 54.78,42.71 54.03,42.71 arc(53.89,42.65) 53.83,42.51 arc(53.89,42.37) 54.03,42.31 54.78,42.31 arc(54.92,42.25) 54.98,42.11 arc(54.92,41.97) 54.78,41.91 54.03,41.91 arc(53.89,41.85) 53.83,41.71 arc(53.89,41.57) 54.03,41.51 54.78,41.51 arc(54.92,41.45) 54.98,41.31 arc(54.92,41.17) 54.78,41.11 54.03,41.11 arc(53.89,41.05) 53.83,40.91 arc(53.89,40.77) 54.03,40.71 54.78,40.71 arc(54.92,40.65) 54.98,40.51 arc(54.92,40.37) 54.78,40.31 54.03,40.31 arc(53.89,40.25) 53.83,40.11 arc(53.89,39.97) 54.03,39.91 54.78,39.91 arc(54.92,39.85) 54.98,39.71 54.98,39.5 54.88,39.4 45.36,39.4 U1.T28
/Main/DDR3/DQU6: length 36.7
  Top w0.102: U1.K26 44.62,42.99 44.94,43.32 45.4,43.32 45.5,43.22 46.27,43.22 49.08,46.03 49.08,51.6 50.47,52.99 63.7,52.99 64.36,52.33 64.36,45.85 63.73,45.22 63.73,44.42 U4.B8
/Main/DDR3/DQU7: length 36.7
  Top w0.102: U1.T26 44.65,39.57 44.98,39.91 45.36,39.91 45.49,39.78 51.05,39.78 51.59,40.32 arc(51.73,40.38) 51.87,40.32 52.12,40.06 arc(52.27,40) 52.41,40.06 arc(52.47,40.21) 52.41,40.35 52.16,40.6 arc(52.1,40.75) 52.16,40.89 arc(52.3,40.95) 52.45,40.89 52.7,40.64 arc(52.84,40.58) 52.99,40.64 arc(53.05,40.78) 52.99,40.93 52.74,41.18 arc(52.68,41.32) 52.74,41.47 arc(52.88,41.52) 53.02,41.47 53.27,41.21 arc(53.42,41.15) 53.56,41.21 arc(53.62,41.36) 53.56,41.5 53.31,41.75 53.31,41.75 arc(53.25,41.9) 53.31,42.04 53.48,42.21 53.48,46.72 arc(53.55,46.9) 53.73,46.97 53.74,46.97 arc(53.88,46.91) 53.94,46.77 53.94,46.59 arc(54,46.44) 54.15,46.38 arc(54.29,46.44) 54.35,46.59 54.35,46.77 arc(54.41,46.91) 54.55,46.97 arc(54.7,46.91) 54.75,46.77 54.75,46.59 arc(54.81,46.44) 54.96,46.38 arc(55.1,46.44) 55.16,46.59 55.16,46.77 arc(55.22,46.91) 55.36,46.97 arc(55.51,46.91) 55.57,46.77 55.57,46.59 arc(55.63,46.44) 55.77,46.38 arc(55.91,46.44) 55.97,46.59 55.97,46.77 arc(56.03,46.91) 56.18,46.97 arc(56.32,46.91) 56.38,46.77 56.38,46.59 arc(56.44,46.44) 56.58,46.38 arc(56.73,46.44) 56.79,46.59 56.79,46.77 arc(56.83,46.9) 56.95,46.97 57.08,46.97 arc(57.26,47.04) 57.34,47.22 57.34,47.51 arc(57.4,47.65) 57.54,47.71 arc(57.68,47.65) 57.74,47.51 57.74,46.39 arc(57.8,46.25) 57.95,46.19 arc(58.09,46.25) 58.15,46.39 58.15,47.51 arc(58.21,47.65) 58.35,47.71 arc(58.5,47.65) 58.56,47.51 58.56,46.39 arc(58.62,46.25) 58.76,46.19 arc(58.9,46.25) 58.96,46.39 58.96,47.51 arc(59.02,47.65) 59.17,47.71 arc(59.31,47.65) 59.37,47.51 59.37,46.39 U4.A3
/Main/DDR3/ODT0: length 35.6
  Top w0.102: U4.K1 56.99,37.67 56.91,37.59 56.91,37.11 56.85,37.05 55.27,37.05 arc(55.09,36.98) 55.02,36.8 55.02,33.17 arc(54.95,32.99) 54.77,32.92 54.61,32.92 arc(54.43,32.99) 54.36,33.17 54.36,36.8 arc(54.29,36.98) 54.11,37.05 51.68,37.05 arc(51.5,37.12) 51.43,37.3 51.43,37.45 arc(51.5,37.63) 51.68,37.7 54.41,37.7 arc(54.59,37.77) 54.66,37.95 54.66,38.05 arc(54.59,38.23) 54.41,38.31 53.26,38.31 arc(53.1,38.37) 53.03,38.54 53.03,38.74 arc(52.96,38.9) 52.8,38.97 arc(52.64,38.9) 52.58,38.74 52.58,38.54 arc(52.51,38.37) 52.35,38.31 arc(52.19,38.37) 52.12,38.54 52.12,38.74 arc(52.05,38.9) 51.89,38.97 arc(51.73,38.9) 51.66,38.74 51.66,38.54 arc(51.6,38.37) 51.43,38.31 arc(51.27,38.37) 51.21,38.54 51.21,38.74 arc(51.14,38.9) 50.98,38.97 arc(50.82,38.9) 50.75,38.74 50.75,38.54 arc(50.68,38.37) 50.52,38.31 arc(50.36,38.37) 50.29,38.54 50.29,38.74 arc(50.23,38.9) 50.06,38.97 arc(49.9,38.9) 49.84,38.74 49.84,38.54 arc(49.77,38.37) 49.61,38.31 arc(49.45,38.37) 49.38,38.54 49.38,38.74 arc(49.31,38.9) 49.15,38.97 arc(48.99,38.9) 48.92,38.74 48.92,38.54 arc(48.86,38.37) 48.7,38.31 arc(48.53,38.37) 48.47,38.54 48.47,38.74 arc(48.4,38.9) 48.24,38.97 arc(48.08,38.9) 48.01,38.74 48.01,38.54 arc(47.94,38.37) 47.78,38.31 arc(47.62,38.37) 47.55,38.54 47.55,38.74 arc(47.49,38.9) 47.33,38.97 arc(47.17,38.9) 47.1,38.74 47.1,38.54 arc(47.03,38.37) 46.87,38.31 46.74,38.31 46.38,38.67 45.45,38.67 45.12,39 U1.U27